# KiCad board pi50.kicad_pcb (continued)
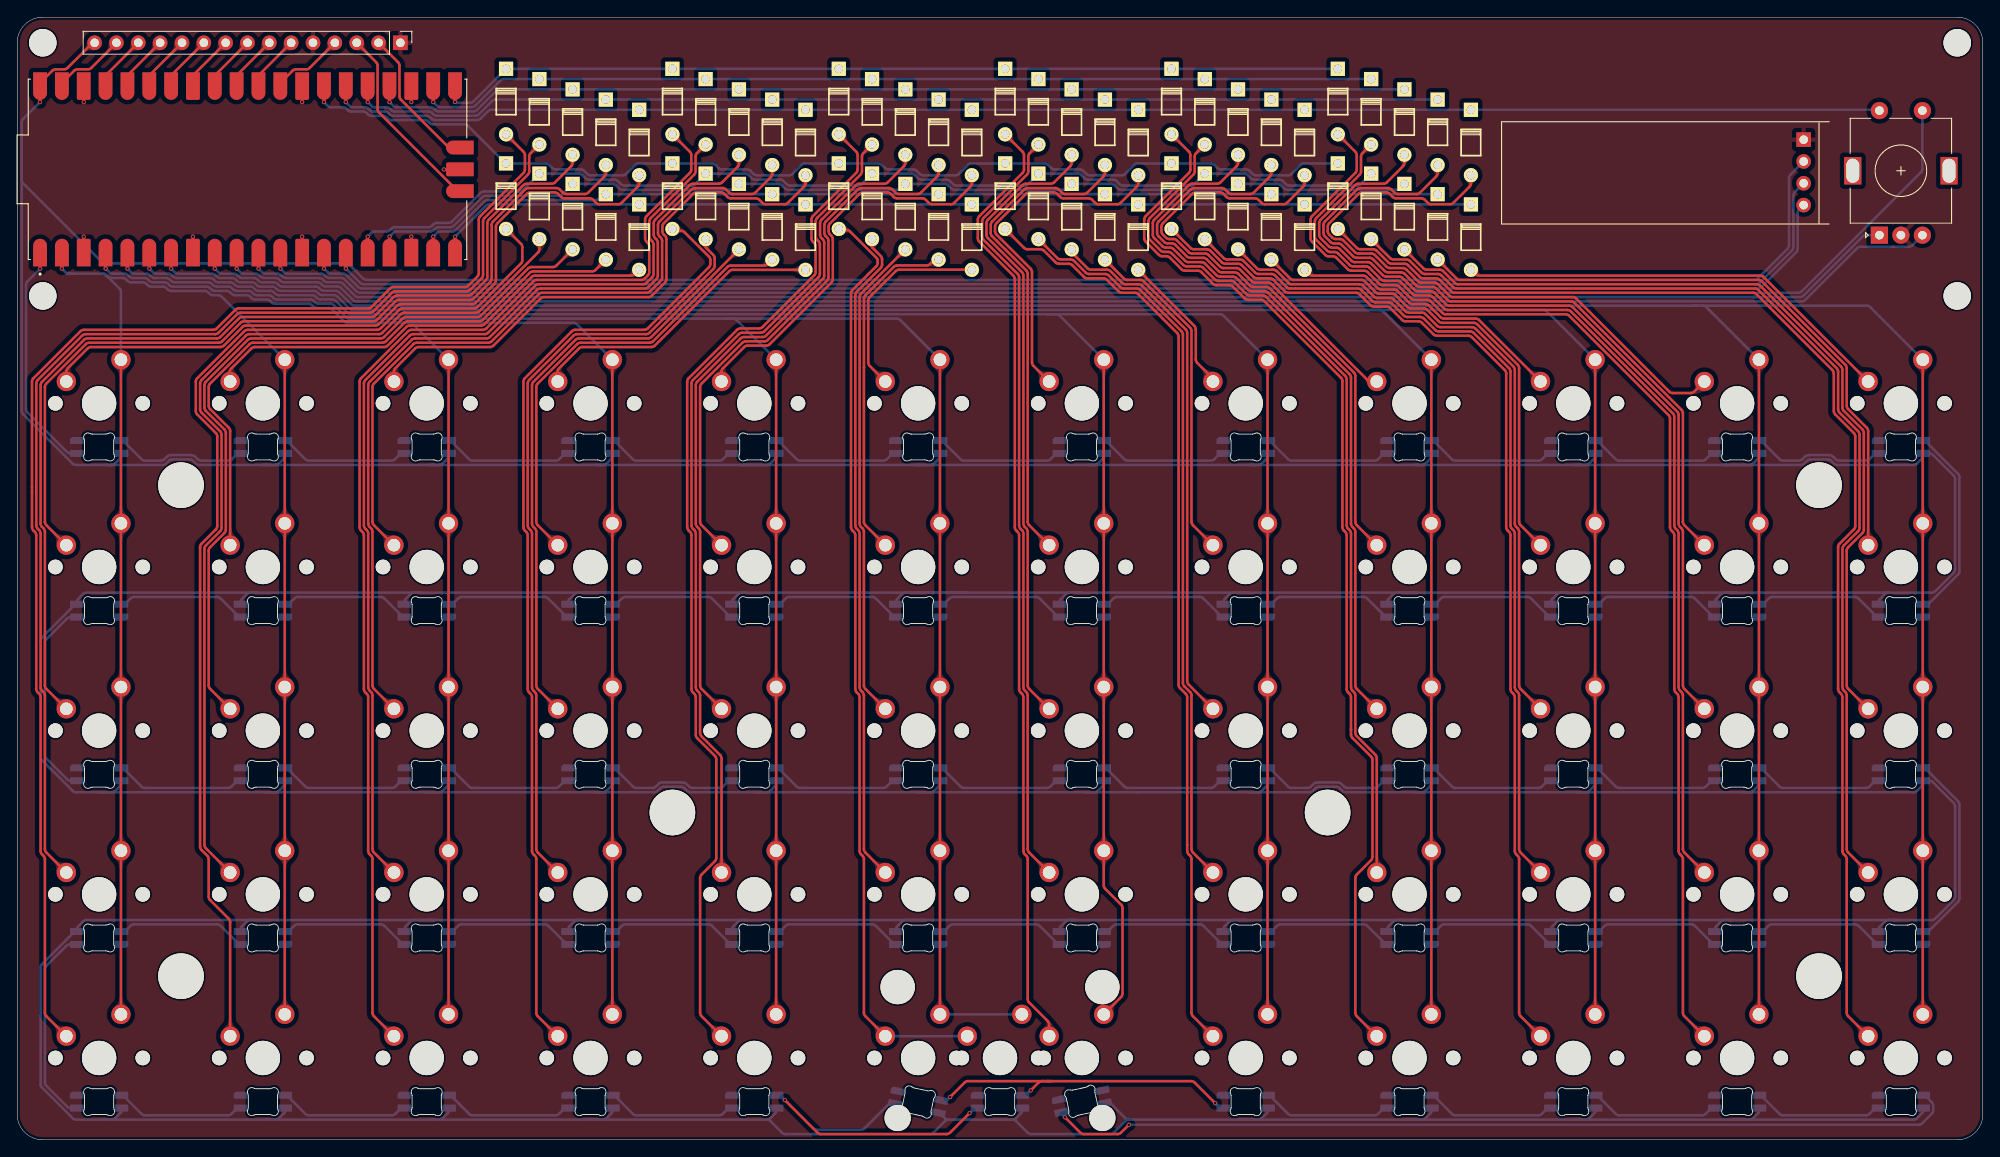
[diagram p0: board, top side]
## Routing (per net, layer and track width the routed paths; a pad name or vN(x,y) marks a point on that pad's centre or on a via; arc(x,y) is an arc through that point)
3V3: length 5.4
  Top w0.3: 12.82,123.89 J1.12
GND: length 14.9
  Top w0.3: U1.D2 49.65,112.96 arc(49.64,112.96) 49.63,112.96 v1(49.63,112.95) ; U1.13 33.14,105.13 arc(33.14,105.13) 33.14,105.13 v1(33.14,105.13) ; U1.23 45.84,120.79 arc(45.84,120.79) 45.84,120.79 v1(45.84,120.79) ; v1(33.14,120.79) 33.14,120.79 arc(33.14,120.79) 33.14,120.79 U1.28 ; v1(45.84,105.13) 45.84,105.13 arc(45.84,105.13) 45.84,105.13 U1.18 ; U1.8 20.44,105.13 arc(20.44,105.13) 20.44,105.13 v1(20.44,105.13) ; v1(7.75,120.79) 7.74,120.79 arc(7.74,120.8) 7.74,120.8 U1.38 ; U1.3 7.74,105.13 arc(7.74,105.13) 7.74,105.13 v1(7.74,105.13)
VBUS: length 1651
  Top w0.3: 2.66,123.01 4.09,124.45 arc(4.27,124.56) 4.48,124.61 5.47,124.61 arc(5.67,124.65) 5.85,124.76 8.78,127.69 ; U1.40 2.66,120.81 arc(2.66,120.8) 2.65,120.8 v1(2.65,120.79)
  Bottom w0.3: D108.1 216.48,24.46 arc(216.51,24.66) 216.63,24.83 217.22,25.42 arc(217.4,25.54) 217.6,25.58 218.22,25.58 ; 66.56,2.35 87.2,2.35 ; 66.56,2.35 66.21,2.35 ; 66.56,2.35 arc(66.62,2.35) 66.68,2.35 ; 87.2,2.35 arc(87.41,2.31) 87.59,2.19 ; 87.2,2.35 arc(87.4,2.39) 87.57,2.49 ; 161.58,2.35 142.43,2.35 ; 161.58,2.35 161.93,2.35 ; 161.58,2.35 162.05,2.35 ; 142.43,2.35 142.08,2.35 ; 142.43,2.35 arc(142.49,2.35) 142.55,2.35 ; D62.1 31.17,79.68 arc(31.13,79.47) 31.02,79.3 30.43,78.71 arc(30.25,78.59) 30.04,78.55 28.85,78.55 ; 48.32,78.55 49.1,78.55 arc(49.31,78.59) 49.48,78.71 50.07,79.29 arc(50.18,79.47) 50.22,79.67 D63.1 ; 48.32,78.55 47.97,78.55 ; 48.32,78.55 arc(48.38,78.55) 48.44,78.55 ; 142.66,25.58 123.04,25.58 ; 142.66,25.58 143.01,25.58 ; 142.66,25.58 arc(142.6,25.58) 142.54,25.58 ; 123.04,25.58 122.57,25.58 ; 123.04,25.58 122.69,25.58 ; 84.4,78.55 104.31,78.55 ; 84.4,78.55 84.05,78.55 ; 84.4,78.55 arc(84.46,78.55) 84.52,78.55 ; 104.31,78.55 104.78,78.55 ; 104.31,78.55 104.66,78.55 ; 104.78,78.55 106.25,78.55 arc(106.46,78.59) 106.64,78.71 107.22,79.29 arc(107.33,79.47) 107.37,79.67 D66.1 ; 104.78,78.55 arc(104.72,78.55) 104.66,78.55 ; D61.1 12.12,79.68 arc(12.08,79.47) 11.97,79.3 11.38,78.71 arc(11.2,78.59) 10.99,78.55 10.89,78.55 ; 143.01,25.58 162.49,25.58 ; 143.01,25.58 142.54,25.58 ; 162.49,25.58 162.84,25.58 ; 162.49,25.58 arc(162.43,25.58) 162.37,25.58 ; 217.26,63.57 216.63,62.95 arc(216.51,62.77) 216.47,62.57 D84.1 ; 217.26,63.57 arc(217.25,63.65) 217.14,63.69 ; 217.26,63.57 arc(217.4,63.66) 217.6,63.69 ; D103.1 121.23,24.47 arc(121.27,24.67) 121.38,24.85 121.96,25.42 arc(122.14,25.54) 122.34,25.58 122.57,25.58 ; 47.97,78.55 48.44,78.55 ; 47.97,78.55 28.96,78.55 ; 124.54,40.45 130.3,40.45 143.2,40.45 ; 124.54,40.45 124.19,40.45 ; 124.54,40.45 arc(124.6,40.45) 124.66,40.45 ; 67.43,78.55 67.78,78.55 ; 67.43,78.55 67.9,78.55 ; 67.43,78.55 48.44,78.55 ; 67.78,78.55 68.15,78.55 arc(68.36,78.59) 68.54,78.71 69.12,79.29 arc(69.23,79.47) 69.27,79.67 D64.1 ; 67.78,78.55 arc(67.84,78.55) 67.9,78.55 ; 124.6,78.55 104.66,78.55 ; 124.6,78.55 125.07,78.55 ; 124.6,78.55 124.96,78.55 ; 67.26,40.45 67.61,40.45 ; 67.26,40.45 67.72,40.45 ; 67.26,40.45 47.97,40.45 ; 67.61,40.45 68.15,40.45 arc(68.36,40.49) 68.54,40.61 69.12,41.19 arc(69.23,41.37) 69.27,41.57 D88.1 ; 67.61,40.45 arc(67.67,40.45) 67.72,40.45 ; 161.93,2.35 181.03,2.35 ; 161.93,2.35 arc(161.99,2.35) 162.05,2.35 ; 28.85,78.55 28.49,78.55 ; 28.85,78.55 arc(28.9,78.55) 28.96,78.55 ; D97.1 6.93,24.47 arc(6.97,24.67) 7.08,24.85 7.66,25.42 arc(7.84,25.54) 8.04,25.58 28.95,25.58 ; 27.97,63.69 27.62,63.69 ; 27.97,63.69 46.55,63.69 ; 27.97,63.69 27.5,63.69 ; 27.62,63.69 27.1,63.69 arc(26.89,63.65) 26.71,63.53 26.13,62.95 arc(26.02,62.77) 25.97,62.57 D74.1 ; 27.62,63.69 arc(27.56,63.69) 27.5,63.69 ; 47.02,63.69 46.67,63.69 ; 47.02,63.69 68.46,63.69 ; 47.02,63.69 46.55,63.69 ; 46.67,63.69 46.15,63.69 arc(45.94,63.65) 45.76,63.53 45.18,62.95 arc(45.07,62.77) 45.02,62.57 D75.1 ; 46.67,63.69 arc(46.61,63.69) 46.55,63.69 ; 9.86,2.35 6.84,2.35 arc(6.63,2.39) 6.45,2.51 2.88,6.08 arc(2.76,6.26) 2.72,6.47 2.72,20.06 arc(2.76,20.27) 2.88,20.44 6.68,24.24 ; 9.86,2.35 10.33,2.35 ; 9.86,2.35 10.22,2.35 ; 9.54,40.45 6.84,40.45 arc(6.63,40.49) 6.45,40.61 2.88,44.18 arc(2.76,44.36) 2.72,44.57 2.72,58.07 arc(2.76,58.28) 2.88,58.46 6.77,62.35 ; 9.54,40.45 10.01,40.45 ; 9.54,40.45 9.89,40.45 ; 67.9,78.55 84.05,78.55 ; 124.19,40.45 124.66,40.45 ; 124.19,40.45 105.14,40.45 ; 143.55,40.45 144.35,40.45 arc(144.56,40.49) 144.73,40.61 145.32,41.19 arc(145.43,41.37) 145.47,41.57 D92.1 ; 143.55,40.45 143.2,40.45 ; 143.55,40.45 arc(143.61,40.45) 143.67,40.45 ; 109.94,63.69 110.41,63.69 ; 109.94,63.69 103.3,63.69 arc(103.09,63.65) 102.91,63.53 102.33,62.95 arc(102.22,62.77) 102.17,62.57 D78.1 ; 109.94,63.69 arc(110,63.69) 110.06,63.69 ; 110.41,63.69 110.06,63.69 ; 110.41,63.69 123.36,63.69 ; 10.01,40.45 28.8,40.45 ; 10.01,40.45 arc(9.95,40.45) 9.89,40.45 ; 200.1,2.35 199.63,2.35 ; 200.1,2.35 220.55,2.35 arc(220.76,2.39) 220.93,2.51 221.52,3.09 arc(221.63,3.27) 221.67,3.47 D119.1 ; 200.1,2.35 arc(200.04,2.35) 199.99,2.35 ; 199.63,2.35 199.99,2.35 ; 199.63,2.35 181.5,2.35 ; 128.88,2.51 126.98,4.41 ; 128.88,2.51 arc(128.95,2.36) 128.9,2.21 ; 128.88,2.51 arc(129.06,2.39) 129.27,2.35 ; 162.53,78.55 162.88,78.55 ; 162.53,78.55 163,78.55 ; 162.53,78.55 143.87,78.55 ; 162.88,78.55 181.07,78.55 ; 162.88,78.55 arc(162.94,78.55) 163,78.55 ; 68.46,63.69 68.81,63.69 ; 68.46,63.69 arc(68.4,63.69) 68.34,63.69 ; 48.42,2.35 49.1,2.35 arc(49.31,2.39) 49.49,2.51 50.07,3.09 arc(50.18,3.27) 50.22,3.47 D111.1 ; 48.42,2.35 48.06,2.35 ; 48.42,2.35 arc(48.47,2.35) 48.53,2.35 ; 47.5,40.45 47.85,40.45 ; 47.5,40.45 29.27,40.45 ; 47.5,40.45 47.97,40.45 ; 47.85,40.45 49.1,40.45 arc(49.31,40.49) 49.49,40.61 50.07,41.19 arc(50.18,41.37) 50.22,41.57 D87.1 ; 47.85,40.45 arc(47.91,40.45) 47.97,40.45 ; 105.39,25.58 84.93,25.58 ; 105.39,25.58 105.74,25.58 ; 105.39,25.58 arc(105.33,25.58) 105.27,25.58 ; 84.93,25.58 84.46,25.58 ; 84.93,25.58 84.58,25.58 ; 143.67,40.45 150.29,40.45 arc(150.49,40.49) 150.67,40.61 151,40.94 arc(151.17,41.06) 151.38,41.1 153.4,41.1 arc(153.61,41.06) 153.79,40.94 154.12,40.61 arc(154.29,40.49) 154.5,40.45 162.47,40.45 ; 143.67,40.45 143.2,40.45 ; 199.92,63.69 217.14,63.69 ; 199.92,63.69 199.45,63.69 ; 199.92,63.69 199.57,63.69 ; 217.14,63.69 217.6,63.69 ; 10.89,78.55 10.42,78.55 ; 10.89,78.55 arc(10.83,78.55) 10.77,78.55 ; 10.42,78.55 10.77,78.55 ; 10.42,78.55 6.82,78.55 arc(6.61,78.59) 6.44,78.71 0.69,84.46 arc(0.57,84.64) 0.53,84.84 0.53,116.49 ; 10.77,78.55 16.93,78.55 arc(17.14,78.59) 17.32,78.71 17.65,79.04 arc(17.82,79.16) 18.03,79.2 20.07,79.2 arc(20.28,79.16) 20.45,79.04 20.78,78.71 arc(20.96,78.59) 21.17,78.55 28.49,78.55 ; D113.1 88.32,3.47 arc(88.28,3.27) 88.17,3.09 87.57,2.49 ; D94.1 183.57,41.57 arc(183.53,41.37) 183.42,41.19 182.83,40.61 arc(182.66,40.49) 182.45,40.45 181.89,40.45 ; 181.07,78.55 181.54,78.55 ; 181.07,78.55 181.42,78.55 ; 123.36,63.69 123.83,63.69 ; 123.36,63.69 arc(123.42,63.69) 123.48,63.69 ; 123.83,63.69 142.9,63.69 ; 123.83,63.69 123.48,63.69 ; 124.96,78.55 125.3,78.55 arc(125.51,78.59) 125.68,78.71 126.27,79.29 arc(126.38,79.47) 126.42,79.67 D67.1 ; 124.96,78.55 arc(125.01,78.55) 125.07,78.55 ; D100.1 64.08,24.47 arc(64.12,24.67) 64.23,24.85 64.81,25.42 arc(64.99,25.54) 65.19,25.58 65.62,25.58 ; 122.57,25.58 arc(122.63,25.58) 122.69,25.58 ; 105.02,40.45 106.25,40.45 arc(106.46,40.49) 106.64,40.61 107.22,41.19 arc(107.33,41.37) 107.37,41.57 D90.1 ; 105.02,40.45 104.67,40.45 ; 105.02,40.45 arc(105.08,40.45) 105.14,40.45 ; 217.6,63.69 222.67,63.69 arc(222.88,63.73) 223.06,63.85 225.22,66.01 arc(225.34,66.19) 225.38,66.39 225.38,76.92 arc(225.34,77.13) 225.22,77.3 222.78,79.74 arc(222.61,79.85) 222.4,79.9 D72.1 221.67,79.67 arc(221.63,79.47) 221.52,79.29 220.93,78.71 arc(220.76,78.59) 220.55,78.55 211.67,78.55 arc(211.46,78.59) 211.28,78.71 210.95,79.04 arc(210.78,79.16) 210.57,79.2 208.53,79.2 arc(208.32,79.16) 208.15,79.04 207.82,78.71 arc(207.64,78.59) 207.44,78.55 198.8,78.55 ; 142.55,2.35 144.35,2.35 arc(144.56,2.39) 144.73,2.51 145.32,3.09 arc(145.43,3.27) 145.47,3.47 D115.1 ; 142.55,2.35 142.08,2.35 ; 84.05,78.55 84.52,78.55 ; 84.77,63.69 110.06,63.69 ; 84.77,63.69 84.42,63.69 ; 84.77,63.69 84.3,63.69 ; 67.72,40.45 74.09,40.45 arc(74.29,40.49) 74.47,40.61 74.8,40.94 arc(74.97,41.06) 75.18,41.1 77.22,41.1 arc(77.43,41.06) 77.6,40.94 77.93,40.61 arc(78.11,40.49) 78.31,40.45 85.77,40.45 ; D99.1 45.03,24.47 arc(45.07,24.67) 45.18,24.85 45.76,25.42 arc(45.94,25.54) 46.14,25.58 48.1,25.58 ; 68.34,63.69 65.2,63.69 arc(64.99,63.65) 64.81,63.53 64.23,62.95 arc(64.12,62.77) 64.07,62.57 D76.1 ; 68.34,63.69 68.81,63.69 ; 180.26,63.69 179.91,63.69 ; 180.26,63.69 199.45,63.69 ; 180.26,63.69 179.79,63.69 ; 179.91,63.69 162.88,63.69 ; 179.91,63.69 arc(179.85,63.69) 179.79,63.69 ; D110.1 31.17,3.47 arc(31.13,3.27) 31.02,3.09 30.44,2.51 arc(30.26,2.39) 30.05,2.35 29.41,2.35 ; 28.83,25.58 29.3,25.58 ; 28.83,25.58 27.09,25.58 arc(26.89,25.54) 26.71,25.42 26.13,24.85 arc(26.02,24.67) 25.98,24.47 D98.1 ; 28.83,25.58 arc(28.89,25.58) 28.95,25.58 ; 29.3,25.58 48.22,25.58 ; 29.3,25.58 28.95,25.58 ; 48.1,25.58 48.57,25.58 ; 48.1,25.58 arc(48.16,25.58) 48.22,25.58 ; 48.57,25.58 65.74,25.58 ; 48.57,25.58 48.22,25.58 ; 9.89,40.45 11,40.45 arc(11.21,40.49) 11.39,40.61 11.97,41.19 arc(12.08,41.37) 12.12,41.57 D85.1 ; 28.96,78.55 28.49,78.55 ; 199.99,2.35 201.5,2.35 arc(201.71,2.39) 201.88,2.51 202.47,3.09 arc(202.58,3.27) 202.62,3.47 D118.1 ; 142.54,25.58 141.39,25.58 arc(141.19,25.54) 141.01,25.42 140.43,24.85 arc(140.32,24.67) 140.28,24.47 D104.1 ; 218.22,25.58 218.69,25.58 ; 218.22,25.58 arc(218.28,25.58) 218.34,25.58 ; 218.69,25.58 218.34,25.58 ; 218.69,25.58 222.67,25.58 arc(222.88,25.62) 223.05,25.74 225.22,27.91 arc(225.34,28.08) 225.38,28.29 225.38,38.81 arc(225.34,39.02) 225.22,39.2 222.78,41.64 arc(222.61,41.75) 222.4,41.8 221.87,41.8 arc(221.73,41.74) 221.67,41.6 221.67,41.57 arc(221.63,41.37) 221.52,41.19 220.93,40.61 arc(220.76,40.49) 220.55,40.45 200.94,40.45 ; 124.66,40.45 125.3,40.45 arc(125.51,40.49) 125.68,40.61 126.27,41.19 arc(126.38,41.37) 126.42,41.57 D91.1 ; 105.74,25.58 122.69,25.58 ; 105.74,25.58 105.27,25.58 ; 66.09,25.58 65.74,25.58 ; 66.09,25.58 65.62,25.58 ; 66.09,25.58 84.46,25.58 ; 65.74,25.58 arc(65.68,25.58) 65.62,25.58 ; 181.03,2.35 181.5,2.35 ; 181.03,2.35 181.39,2.35 ; 66.21,2.35 48.53,2.35 ; 66.21,2.35 66.68,2.35 ; 48.53,2.35 48.06,2.35 ; 84.42,63.69 84.25,63.69 arc(84.04,63.65) 83.86,63.53 83.28,62.95 arc(83.17,62.77) 83.12,62.57 D77.1 ; 84.42,63.69 arc(84.36,63.69) 84.3,63.69 ; 181.42,78.55 198.33,78.55 ; 181.42,78.55 arc(181.48,78.55) 181.54,78.55 ; 198.33,78.55 198.69,78.55 ; 198.33,78.55 198.8,78.55 ; 29.15,40.45 30.05,40.45 arc(30.26,40.49) 30.44,40.61 31.02,41.19 arc(31.13,41.37) 31.17,41.57 D86.1 ; 29.15,40.45 28.8,40.45 ; 29.15,40.45 arc(29.21,40.45) 29.27,40.45 ; 0.53,116.49 0.53,116.96 ; 0.53,116.49 arc(0.53,116.55) 0.53,116.61 ; 0.53,116.96 0.53,118.45 arc(0.57,118.65) 0.69,118.83 v1(2.65,120.79) ; 0.53,116.96 0.53,116.61 ; 125.07,78.55 143.4,78.55 ; 143.4,78.55 143.76,78.55 ; 143.4,78.55 143.87,78.55 ; 29.27,40.45 28.8,40.45 ; 86.12,40.45 87.19,40.45 arc(87.4,40.49) 87.58,40.61 88.17,41.2 arc(88.28,41.37) 88.32,41.58 D89.1 ; 86.12,40.45 85.77,40.45 ; 86.12,40.45 arc(86.18,40.45) 86.23,40.45 ; 123.48,63.69 122.35,63.69 arc(122.14,63.65) 121.96,63.53 121.38,62.95 arc(121.26,62.77) 121.22,62.57 D79.1 ; 115.77,2.35 108.29,2.35 ; 115.77,2.35 arc(115.98,2.39) 116.14,2.49 ; 115.77,2.35 arc(115.98,2.31) 116.16,2.19 ; 108.29,2.35 arc(108.09,2.31) 107.93,2.21 ; 108.29,2.35 arc(108.08,2.39) 107.91,2.51 ; 84.52,78.55 87.2,78.55 arc(87.41,78.59) 87.59,78.71 88.17,79.29 arc(88.28,79.47) 88.32,79.67 D65.1 ; 142.08,2.35 129.27,2.35 ; 10.33,2.35 28.94,2.35 ; 10.33,2.35 arc(10.27,2.35) 10.22,2.35 ; 104.67,40.45 86.23,40.45 ; 104.67,40.45 105.14,40.45 ; 86.23,40.45 85.77,40.45 ; 199.25,25.58 198.54,25.58 arc(198.33,25.54) 198.16,25.42 197.58,24.85 arc(197.47,24.67) 197.43,24.47 D107.1 ; 199.25,25.58 199.6,25.58 ; 199.25,25.58 arc(199.19,25.58) 199.13,25.58 ; D95.1 202.62,41.57 arc(202.58,41.37) 202.47,41.19 201.88,40.61 arc(201.71,40.49) 201.5,40.45 201.05,40.45 ; 84.46,25.58 arc(84.52,25.58) 84.58,25.58 ; 107.91,2.51 107.29,3.13 ; 107.91,2.51 arc(107.98,2.36) 107.93,2.21 ; 48.06,2.35 29.29,2.35 ; 10.22,2.35 11,2.35 arc(11.21,2.39) 11.39,2.51 11.97,3.09 arc(12.08,3.27) 12.12,3.47 D109.1 ; 218.34,25.58 199.6,25.58 ; 116.14,2.49 116.74,3.09 arc(116.86,3.27) 116.9,3.47 D114.1 ; 116.14,2.49 arc(116.09,2.34) 116.16,2.19 ; 68.81,63.69 84.3,63.69 ; 198.69,78.55 201.5,78.55 arc(201.71,78.59) 201.88,78.71 202.47,79.29 arc(202.58,79.47) 202.62,79.67 D71.1 ; 198.69,78.55 arc(198.74,78.55) 198.8,78.55 ; 162.84,25.58 180.18,25.58 ; 162.84,25.58 162.37,25.58 ; 180.18,25.58 180.53,25.58 ; 180.18,25.58 arc(180.12,25.58) 180.06,25.58 ; D68.1 145.47,79.67 arc(145.43,79.47) 145.32,79.29 144.73,78.71 arc(144.56,78.59) 144.35,78.55 143.76,78.55 ; D80.1 140.27,62.57 arc(140.31,62.77) 140.43,62.95 141.01,63.53 arc(141.19,63.65) 141.4,63.69 142.78,63.69 ; 107.93,2.21 106.54,0.83 arc(106.37,0.71) 106.16,0.67 89.34,0.67 arc(89.13,0.71) 88.95,0.83 87.59,2.19 ; 143.25,63.69 142.9,63.69 ; 143.25,63.69 162.53,63.69 ; 143.25,63.69 142.78,63.69 ; 142.9,63.69 arc(142.84,63.69) 142.78,63.69 ; 84.58,25.58 84.24,25.58 arc(84.04,25.54) 83.86,25.42 83.28,24.85 arc(83.17,24.67) 83.13,24.47 D101.1 ; 200.94,40.45 200.59,40.45 ; 200.94,40.45 arc(201,40.45) 201.05,40.45 ; 199.6,25.58 199.13,25.58 ; D82.1 178.37,62.57 arc(178.41,62.77) 178.53,62.95 179.11,63.53 arc(179.29,63.65) 179.5,63.69 179.79,63.69 ; 162.53,63.69 162.88,63.69 ; 162.53,63.69 arc(162.47,63.69) 162.41,63.69 ; 105.27,25.58 103.29,25.58 arc(103.09,25.54) 102.91,25.42 102.33,24.85 arc(102.22,24.67) 102.18,24.47 D102.1 ; 201.05,40.45 200.59,40.45 ; 200.59,40.45 181.77,40.45 ; 181.5,2.35 arc(181.44,2.35) 181.39,2.35 ; 180.06,25.58 179.49,25.58 arc(179.28,25.54) 179.11,25.42 178.53,24.85 arc(178.42,24.67) 178.38,24.47 D106.1 ; 180.06,25.58 180.53,25.58 ; 199.57,63.69 198.55,63.69 arc(198.34,63.65) 198.16,63.53 197.58,62.95 arc(197.46,62.77) 197.42,62.57 D83.1 ; 199.57,63.69 arc(199.51,63.69) 199.45,63.69 ; 181.77,40.45 181.42,40.45 ; 181.77,40.45 arc(181.83,40.45) 181.89,40.45 ; 116.16,2.19 117.52,0.83 arc(117.7,0.71) 117.91,0.67 127.13,0.67 arc(127.34,0.71) 127.52,0.83 128.9,2.21 ; 162.05,2.35 163.4,2.35 arc(163.61,2.39) 163.78,2.51 164.37,3.09 arc(164.48,3.27) 164.52,3.47 D116.1 ; 163,78.55 163.4,78.55 arc(163.61,78.59) 163.78,78.71 164.37,79.29 arc(164.48,79.47) 164.52,79.67 D69.1 ; 87.57,2.49 arc(87.51,2.35) 87.59,2.19 ; D105.1 159.33,24.47 arc(159.37,24.67) 159.48,24.85 160.06,25.42 arc(160.24,25.54) 160.44,25.58 162.37,25.58 ; 162.47,40.45 162.82,40.45 ; 162.47,40.45 162.93,40.45 ; 162.82,40.45 163.4,40.45 arc(163.61,40.49) 163.78,40.61 164.37,41.19 arc(164.48,41.37) 164.52,41.57 D93.1 ; 162.82,40.45 arc(162.88,40.45) 162.93,40.45 ; 143.76,78.55 arc(143.81,78.55) 143.87,78.55 ; D70.1 183.57,79.67 arc(183.53,79.47) 183.42,79.29 182.83,78.71 arc(182.66,78.59) 182.45,78.55 181.54,78.55 ; D81.1 159.32,62.57 arc(159.36,62.77) 159.48,62.95 160.06,63.53 arc(160.24,63.65) 160.45,63.69 162.41,63.69 ; 162.93,40.45 181.42,40.45 ; 181.42,40.45 181.89,40.45 ; 180.53,25.58 199.13,25.58 ; 162.41,63.69 162.88,63.69 ; J2.2 206.22,112.34 arc(206.1,112.16) 206.06,111.95 206.06,104.11 arc(206.02,103.9) 205.9,103.73 202.42,100.25 arc(202.25,100.13) 202.04,100.09 40.62,100.09 arc(40.41,100.13) 40.24,100.25 38.63,101.85 arc(38.46,101.97) 38.25,102.01 10.23,102.01 arc(10.03,102.05) 9.85,102.17 0.69,111.33 arc(0.57,111.51) 0.53,111.72 0.53,116.61 ; 66.68,2.35 68.15,2.35 arc(68.36,2.39) 68.54,2.51 69.12,3.09 arc(69.23,3.27) 69.27,3.47 D112.1 ; 181.39,2.35 182.45,2.35 arc(182.66,2.39) 182.83,2.51 183.42,3.09 arc(183.53,3.27) 183.57,3.47 D117.1 ; 29.29,2.35 28.94,2.35 ; 29.29,2.35 arc(29.35,2.35) 29.41,2.35 ; D73.1 6.92,62.57 arc(6.97,62.77) 7.08,62.95 7.66,63.53 arc(7.84,63.65) 8.05,63.69 27.5,63.69 ; 29.41,2.35 28.94,2.35 ; 128.9,2.21 arc(129.06,2.32) 129.27,2.35
C0: length 196.3
  Top w0.3: K2.2 K14.2 K26.2 K38.2 K50.2 ; K1.2 K13.2 K25.2 12.06,33.66 ; U1.2 5.2,101.41 arc(5.2,101.41) 5.2,101.41 v1(5.2,101.41) ; K37.2 12.07,14.61
  Bottom w0.3: K2.2 23.77,98.15 arc(23.59,98.27) 23.38,98.31 22.77,98.31 arc(22.56,98.35) 22.38,98.47 22.2,98.65 arc(22.03,98.77) 21.82,98.81 17.89,98.81 arc(17.69,98.85) 17.51,98.97 17.33,99.15 arc(17.15,99.27) 16.94,99.31 15.57,99.31 arc(15.36,99.35) 15.18,99.47 15,99.65 arc(14.83,99.77) 14.62,99.81 13.24,99.81 arc(13.03,99.85) 12.85,99.97 12.67,100.15 arc(12.49,100.27) 12.29,100.31 10.9,100.31 arc(10.7,100.35) 10.52,100.47 10.26,100.73 ; 6.23,100.82 5.79,100.82 arc(5.79,100.82) 5.79,100.82 ; 6.23,100.82 6.58,100.82 ; 6.23,100.82 arc(6.17,100.82) 6.12,100.82 ; 6.12,100.82 6.58,100.82 ; 6.12,100.82 6.02,100.82 arc(5.81,100.86) 5.63,100.98 v1(5.2,101.41) ; 6.58,100.82 9.95,100.82 ; 10.26,100.73 arc(10.14,100.8) 9.95,100.82 ; 10.26,100.73 arc(10.29,100.7) 10.33,100.66 ; K1.2 12.06,98.7 arc(12.02,98.91) 11.91,99.08 10.33,100.66 ; 10.33,100.66 arc(10.16,100.78) 9.95,100.82
C1: length 225.4
  Top w0.3: K40.2 69.22,14.61 ; K3.2 K15.2 K27.2 K39.2 K51.2 ; v1(10.29,101.41) 10.28,101.41 arc(10.28,101.42) 10.28,101.42 U1.4 ; K4.2 K16.2 K28.2 69.21,33.66
  Bottom w0.3: v1(10.29,101.41) 10.73,100.97 arc(10.9,100.85) 11.11,100.81 12.49,100.81 arc(12.7,100.77) 12.88,100.65 13.06,100.47 arc(13.24,100.35) 13.45,100.31 14.82,100.31 arc(15.03,100.27) 15.21,100.15 15.39,99.97 arc(15.56,99.85) 15.77,99.81 17.15,99.81 arc(17.36,99.77) 17.53,99.65 17.72,99.47 arc(17.89,99.35) 18.1,99.31 22.02,99.31 arc(22.23,99.27) 22.41,99.15 22.59,98.97 arc(22.77,98.85) 22.97,98.81 24.37,98.81 arc(24.58,98.77) 24.75,98.65 24.93,98.47 arc(25.11,98.35) 25.32,98.31 26.7,98.31 arc(26.91,98.27) 27.08,98.15 27.26,97.97 arc(27.44,97.86) 27.65,97.81 29.04,97.81 arc(29.25,97.77) 29.43,97.66 29.61,97.47 arc(29.79,97.36) 29.99,97.31 33.9,97.31 arc(34.1,97.27) 34.28,97.15 34.45,96.98 arc(34.63,96.87) 34.84,96.82 36.23,96.82 arc(36.44,96.78) 36.61,96.66 38.03,95.25 arc(38.2,95.13) 38.41,95.09 43.72,95.09 ; 44.19,95.09 43.72,95.09 ; 44.19,95.09 64.7,95.09 arc(64.91,95.05) 65.09,94.93 K4.2 ; 44.19,95.09 arc(44.13,95.09) 44.08,95.09 ; 43.72,95.09 44.08,95.09 ; K3.2 46.04,94.93 arc(45.86,95.05) 45.65,95.09 44.08,95.09
C2: length 270.2
  Top w0.3: K54.2 K42.2 ; v1(12.83,101.41) 12.82,101.41 arc(12.82,101.42) 12.82,101.42 U1.5 ; K6.2 K18.2 K30.2 107.31,33.66 ; 88.27,52.7 K41.2 K53.2 ; K29.2 K17.2 K5.2
  Bottom w0.3: K6.2 102.69,95.43 arc(102.51,95.55) 102.3,95.59 82.87,95.59 ; 82.4,95.59 38.62,95.59 arc(38.41,95.63) 38.23,95.75 36.82,97.16 arc(36.64,97.28) 36.44,97.32 35.04,97.32 arc(34.84,97.36) 34.66,97.48 34.49,97.65 arc(34.31,97.77) 34.1,97.81 30.2,97.81 arc(29.99,97.85) 29.82,97.97 29.63,98.15 arc(29.46,98.27) 29.25,98.31 27.86,98.31 arc(27.65,98.36) 27.47,98.47 27.29,98.65 arc(27.12,98.77) 26.91,98.81 25.52,98.81 arc(25.32,98.85) 25.14,98.97 24.96,99.15 arc(24.78,99.27) 24.57,99.31 23.18,99.31 arc(22.97,99.35) 22.8,99.47 22.62,99.65 arc(22.44,99.77) 22.23,99.81 18.31,99.81 arc(18.1,99.85) 17.92,99.97 17.74,100.15 arc(17.56,100.27) 17.36,100.31 15.98,100.31 arc(15.77,100.35) 15.6,100.47 15.42,100.65 arc(15.24,100.77) 15.03,100.81 13.65,100.81 arc(13.44,100.85) 13.27,100.97 v1(12.83,101.41) ; 82.4,95.59 82.76,95.59 ; 82.4,95.59 82.87,95.59 ; 82.76,95.59 83.25,95.59 arc(83.46,95.55) 83.64,95.43 K5.2 ; 82.76,95.59 arc(82.81,95.59) 82.87,95.59 ; K54.2 K61.2
C3: length 298.9
  Top w0.3: U1.6 15.36,101.42 arc(15.36,101.42) 15.36,101.41 v1(15.37,101.41) ; K8.2 K20.2 K32.2 145.41,33.66 ; K55.2 128.39,16.63 arc(128.51,16.8) 128.55,17.01 128.55,26.97 arc(128.51,27.18) 128.39,27.36 126.52,29.22 arc(126.41,29.4) 126.37,29.61 K43.2 126.37,52.7 ; K7.2 K19.2 K31.2 ; K44.2 145.42,14.61
  Bottom w0.3: K8.2 140.29,95.93 arc(140.11,96.05) 139.9,96.09 120.15,96.09 ; v1(15.37,101.41) 15.81,100.97 arc(15.98,100.85) 16.19,100.81 17.56,100.81 arc(17.77,100.77) 17.95,100.65 18.13,100.47 arc(18.31,100.35) 18.51,100.31 22.44,100.31 arc(22.65,100.27) 22.82,100.15 23,99.97 arc(23.18,99.85) 23.39,99.81 24.78,99.81 arc(24.99,99.77) 25.17,99.65 25.35,99.47 arc(25.52,99.35) 25.73,99.31 27.11,99.31 arc(27.32,99.27) 27.5,99.15 27.68,98.97 arc(27.85,98.86) 28.06,98.81 29.46,98.81 arc(29.66,98.77) 29.84,98.65 30.02,98.47 arc(30.2,98.35) 30.41,98.31 34.31,98.31 arc(34.52,98.27) 34.69,98.15 34.87,97.98 arc(35.04,97.86) 35.25,97.82 36.64,97.82 arc(36.85,97.78) 37.03,97.66 38.44,96.25 arc(38.62,96.13) 38.83,96.09 119.79,96.09 ; 120.26,96.09 119.79,96.09 ; 120.26,96.09 120.85,96.09 arc(121.06,96.05) 121.24,95.93 K7.2 ; 120.26,96.09 arc(120.2,96.09) 120.15,96.09 ; 119.79,96.09 120.15,96.09
C4: length 341
  Top w0.3: U1.7 17.9,101.41 arc(17.9,101.41) 17.9,101.41 v1(17.9,101.41) ; K9.2 K21.2 K33.2 164.46,33.66 ; K58.2 183.51,33.65 ; K46.2 183.52,52.7 ; K10.2 K22.2 K34.2 ; K45.2 164.47,14.61
  Bottom w0.3: 150.36,96.59 149.89,96.59 ; 150.36,96.59 177.5,96.59 arc(177.71,96.55) 177.89,96.43 K10.2 ; 150.36,96.59 arc(150.3,96.59) 150.24,96.59 ; 149.89,96.59 150.24,96.59 ; 149.89,96.59 39.03,96.59 arc(38.82,96.63) 38.65,96.75 37.24,98.16 arc(37.06,98.28) 36.85,98.32 35.46,98.32 arc(35.25,98.36) 35.07,98.48 34.9,98.65 arc(34.73,98.77) 34.52,98.81 30.61,98.81 arc(30.41,98.85) 30.23,98.97 30.05,99.15 arc(29.87,99.27) 29.66,99.31 28.27,99.31 arc(28.06,99.35) 27.88,99.47 27.71,99.65 arc(27.53,99.77) 27.32,99.81 25.94,99.81 arc(25.73,99.85) 25.55,99.97 25.37,100.15 arc(25.2,100.27) 24.99,100.31 23.59,100.31 arc(23.39,100.35) 23.21,100.47 23.03,100.65 arc(22.85,100.77) 22.64,100.81 18.72,100.81 arc(18.51,100.85) 18.34,100.97 v1(17.9,101.41) ; 150.24,96.59 158.45,96.59 arc(158.66,96.55) 158.84,96.43 K9.2
C5: length 367.5
  Top w0.3: v1(22.98,101.41) 22.98,101.41 arc(22.98,101.41) 22.98,101.41 U1.9 ; K36.2 K24.2 K12.2 ; K11.2 K23.2 K35.2 202.56,33.66 ; K47.2 202.57,14.61 ; K60.2 221.61,33.65 ; K48.2 221.62,52.7
  Bottom w0.3: 194.81,97.09 195.16,97.09 ; 194.81,97.09 195.28,97.09 ; 194.81,97.09 39.24,97.09 arc(39.03,97.13) 38.85,97.25 37.44,98.66 arc(37.27,98.78) 37.06,98.82 35.66,98.82 arc(35.46,98.86) 35.28,98.98 35.11,99.15 arc(34.93,99.27) 34.72,99.31 30.82,99.31 arc(30.61,99.35) 30.44,99.47 30.25,99.65 arc(30.08,99.77) 29.87,99.81 28.48,99.81 arc(28.27,99.85) 28.09,99.97 27.91,100.15 arc(27.74,100.27) 27.53,100.31 26.14,100.31 arc(25.94,100.35) 25.76,100.47 25.58,100.65 arc(25.4,100.77) 25.19,100.81 23.8,100.81 arc(23.59,100.85) 23.42,100.97 v1(22.98,101.41) ; 195.16,97.09 196.05,97.09 arc(196.26,97.05) 196.44,96.93 K11.2 ; 195.16,97.09 arc(195.22,97.09) 195.28,97.09 ; 195.28,97.09 215.1,97.09 arc(215.31,97.05) 215.49,96.93 K12.2
C6: length 206.7
  Top w0.3: U1.12 30.6,101.44 arc(30.6,101.43) 30.61,101.42 v1(30.62,101.41)
  Bottom w0.3: SW1.S1 221.57,113.02 arc(221.53,112.81) 221.41,112.64 207.53,98.75 arc(207.35,98.63) 207.14,98.59 39.86,98.59 arc(39.65,98.63) 39.48,98.75 38.06,100.16 arc(37.89,100.28) 37.68,100.32 36.29,100.32 arc(36.08,100.36) 35.9,100.48 35.73,100.65 arc(35.55,100.77) 35.34,100.81 31.44,100.81 arc(31.23,100.85) 31.06,100.97 v1(30.62,101.41)
J2: length 15.5
  Top w0.3: J1.2 44.3,125.42 arc(44.42,125.24) 44.46,125.03 44.46,121.46 arc(44.5,121.25) 44.62,121.07 50.19,115.5
J3: length 22.1
  Top w0.3: 51.23,110.42 42.07,119.58 arc(41.95,119.76) 41.91,119.96 41.91,125.04 arc(41.87,125.25) 41.75,125.42 J1.3
J4: length 8.2
  Top w0.3: 30.6,123.01 32.03,124.45 arc(32.21,124.56) 32.42,124.61 33.63,124.61 arc(33.84,124.65) 34.01,124.76 J1.4
J6: length 5.4
  Top w0.3: 28.06,123.89 J1.6
J7: length 5.4
  Top w0.3: 25.52,123.89 J1.7
J8: length 5.4
  Top w0.3: 22.98,123.89 J1.8
J9: length 5.4
  Top w0.3: 20.44,123.89 J1.9
J10: length 5.4
  Top w0.3: 17.9,123.89 J1.10
J11: length 5.4
  Top w0.3: 15.36,123.89 J1.11
J13: length 5.4
  Top w0.3: 10.28,123.89 J1.13
J14: length 8.2
  Top w0.3: 5.2,123.01 6.63,124.45 arc(6.81,124.56) 7.02,124.61 8.23,124.61 arc(8.44,124.65) 8.61,124.76 J1.14
R0: length 181.3
  Top w0.3: v1(38.22,120.79) 38.22,120.79 arc(38.22,120.79) 38.22,120.79 U1.26
  Bottom w0.3: v1(38.22,120.79) 38.66,120.35 arc(38.83,120.23) 39.04,120.19 40.43,120.19 arc(40.64,120.15) 40.82,120.03 41.01,119.84 arc(41.18,119.72) 41.39,119.68 42.76,119.68 arc(42.97,119.64) 43.15,119.52 43.32,119.35 arc(43.5,119.23) 43.71,119.19 47.64,119.19 arc(47.85,119.15) 48.02,119.03 48.2,118.86 arc(48.37,118.74) 48.58,118.7 53.5,118.7 arc(53.71,118.74) 53.88,118.86 54.76,119.74 arc(54.94,119.85) 55.14,119.9 D1.1 D2.1 D3.1 D4.1 D5.1 D6.1 216.48,119.9
R1: length 121.5
  Top w0.3: v1(50.93,105.13) 50.92,105.13 arc(50.92,105.12) 50.92,105.12 U1.20
  Bottom w0.3: v1(50.93,105.13) 54.52,108.72 arc(54.7,108.84) 54.9,108.88 D7.1 D8.1 D9.1 D10.1 D11.1 D12.1
R2: length 127.6
  Top w0.3: v1(40.77,120.79) 40.76,120.79 arc(40.76,120.8) 40.76,120.8 U1.25
  Bottom w0.3: D18.1 D17.1 D16.1 D15.1 D14.1 D13.1 55.63,121.09 arc(55.42,121.04) 55.24,120.93 53.67,119.36 arc(53.5,119.24) 53.29,119.2 48.79,119.2 arc(48.58,119.24) 48.4,119.36 48.23,119.53 arc(48.06,119.65) 47.85,119.69 43.92,119.69 arc(43.71,119.73) 43.53,119.85 43.36,120.02 arc(43.18,120.14) 42.97,120.18 41.6,120.18 arc(41.39,120.22) 41.21,120.34 v1(40.77,120.79)
R3: length 120.4
  Top w0.3: v1(48.39,105.13) 48.38,105.13 arc(48.38,105.12) 48.38,105.12 U1.19
  Bottom w0.3: 68.21,110.07 67.68,109.54 arc(67.5,109.42) 67.29,109.38 54.7,109.38 arc(54.49,109.34) 54.31,109.22 50.98,105.89 arc(50.8,105.77) 50.59,105.73 49.21,105.73 arc(49,105.69) 48.83,105.57 v1(48.39,105.13) ; D19.1 D20.1 D21.1 D22.1 D23.1 D24.1
R4: length 121.3
  Top w0.3: v1(43.3,120.79) 43.3,120.79 arc(43.3,120.79) 43.3,120.79 U1.24
  Bottom w0.3: D30.1 D29.1 D28.1 D27.1 D26.1 D25.1 56.11,122.28 arc(55.9,122.24) 55.73,122.12 53.47,119.86 arc(53.29,119.74) 53.08,119.7 49,119.7 arc(48.79,119.74) 48.61,119.86 48.44,120.03 arc(48.26,120.15) 48.05,120.19 44.12,120.19 arc(43.91,120.23) 43.74,120.35 v1(43.3,120.79)
R5: length 124.7
  Top w0.3: v1(43.31,105.13) 43.3,105.13 arc(43.3,105.12) 43.3,105.12 U1.17
  Bottom w0.3: D36.1 160.8,110.73 arc(160.62,110.61) 160.41,110.57 147.73,110.57 arc(147.52,110.61) 147.34,110.73 146.97,111.1 arc(146.8,111.22) 146.59,111.26 142.21,111.26 arc(142,111.22) 141.82,111.1 141.45,110.73 arc(141.27,110.61) 141.07,110.57 128.39,110.57 arc(128.18,110.61) 128,110.73 127.63,111.1 arc(127.46,111.22) 127.25,111.26 122.86,111.26 arc(122.65,111.22) 122.48,111.1 122.1,110.73 arc(121.93,110.61) 121.72,110.57 109.03,110.57 arc(108.82,110.61) 108.64,110.73 108.27,111.1 arc(108.1,111.22) 107.89,111.26 103.51,111.26 arc(103.3,111.22) 103.13,111.1 102.76,110.73 arc(102.58,110.61) 102.37,110.57 89.69,110.57 arc(89.48,110.61) 89.3,110.73 88.93,111.1 arc(88.76,111.22) 88.55,111.26 84.16,111.26 arc(83.96,111.22) 83.78,111.1 83.41,110.73 arc(83.23,110.61) 83.02,110.57 70.4,110.57 arc(70.19,110.61) 70.01,110.73 69.64,111.1 arc(69.46,111.22) 69.26,111.26 D31.1 63.37,110.04 arc(63.19,109.92) 62.98,109.88 54.49,109.88 arc(54.28,109.84) 54.11,109.72 50.77,106.39 arc(50.6,106.27) 50.39,106.23 49,106.23 arc(48.8,106.19) 48.62,106.07 48.44,105.89 arc(48.26,105.77) 48.05,105.73 44.13,105.73 arc(43.92,105.69) 43.75,105.57 v1(43.31,105.13)
R6: length 112.5
  Top w0.3: v1(48.39,120.79) 48.38,120.79 arc(48.38,120.8) 48.38,120.8 U1.22
  Bottom w0.3: v1(48.39,120.79) 48.82,120.36 arc(48.99,120.24) 49.2,120.2 52.88,120.2 arc(53.08,120.24) 53.26,120.36 56.21,123.31 arc(56.39,123.43) 56.59,123.47 D37.1 D38.1 D39.1 D40.1 D41.1 D42.1
R7: length 126.5
  Top w0.3: U1.16 40.76,105.12 arc(40.76,105.12) 40.76,105.13 v1(40.77,105.13)
  Bottom w0.3: v1(40.77,105.13) 41.21,105.57 arc(41.38,105.69) 41.59,105.73 42.97,105.73 arc(43.18,105.77) 43.36,105.89 43.54,106.07 arc(43.72,106.19) 43.92,106.23 47.85,106.23 arc(48.06,106.27) 48.23,106.39 48.41,106.57 arc(48.59,106.69) 48.8,106.73 50.18,106.73 arc(50.39,106.77) 50.57,106.89 53.9,110.22 arc(54.08,110.34) 54.28,110.38 58.42,110.38 arc(58.63,110.42) 58.81,110.54 D43.1 65.34,112.45 arc(65.55,112.41) 65.72,112.29 66.09,111.92 arc(66.27,111.81) 66.48,111.76 69.46,111.76 arc(69.67,111.72) 69.85,111.6 70.22,111.23 arc(70.4,111.11) 70.6,111.07 78.46,111.07 arc(78.67,111.11) 78.85,111.23 D44.1 84.68,112.45 arc(84.89,112.41) 85.06,112.29 85.43,111.92 arc(85.61,111.8) 85.82,111.76 88.75,111.76 arc(88.96,111.72) 89.14,111.6 89.51,111.23 arc(89.69,111.11) 89.9,111.07 97.81,111.07 arc(98.02,111.11) 98.19,111.23 D45.1 104.02,112.45 arc(104.23,112.41) 104.4,112.29 104.77,111.92 arc(104.95,111.8) 105.16,111.76 108.09,111.76 arc(108.3,111.72) 108.48,111.6 108.85,111.23 arc(109.03,111.11) 109.24,111.07 117.16,111.07 arc(117.37,111.11) 117.54,111.23 D46.1 123.38,112.45 arc(123.59,112.41) 123.76,112.29 124.13,111.92 arc(124.31,111.8) 124.52,111.76 127.45,111.76 arc(127.66,111.72) 127.84,111.6 128.21,111.23 arc(128.39,111.11) 128.6,111.07 136.51,111.07 arc(136.71,111.11) 136.89,111.23 D47.1 142.72,112.45 arc(142.93,112.41) 143.1,112.29 143.47,111.92 arc(143.65,111.8) 143.86,111.76 146.79,111.76 arc(147,111.72) 147.18,111.6 147.55,111.23 arc(147.73,111.11) 147.94,111.07 155.85,111.07 arc(156.06,111.11) 156.24,111.23 D48.1
R8: length 106.2
  Top w0.3: U1.21 50.92,120.8 arc(50.92,120.8) 50.92,120.8 v1(50.92,120.8)
  Bottom w0.3: v1(50.92,120.8) 50.97,120.75 arc(51.02,120.71) 51.09,120.7 52.67,120.7 arc(52.88,120.74) 53.05,120.86 D49.1 D50.1 D51.1 D52.1 D53.1 D54.1
R9: length 127.5
  Top w0.3: v1(35.68,120.79) 35.68,120.79 arc(35.68,120.79) 35.68,120.79 U1.27
  Bottom w0.3: D60.1 149.65,113.64 arc(149.45,113.6) 149.27,113.49 148.21,112.42 arc(148.03,112.3) 147.82,112.26 144.07,112.26 arc(143.86,112.3) 143.68,112.42 143.31,112.79 arc(143.13,112.91) 142.92,112.95 139.99,112.95 arc(139.78,113) 139.6,113.11 139.23,113.49 arc(139.05,113.6) 138.85,113.64 D59.1 130.31,113.64 arc(130.1,113.6) 129.92,113.49 128.86,112.42 arc(128.68,112.3) 128.47,112.26 124.73,112.26 arc(124.52,112.3) 124.34,112.42 123.97,112.79 arc(123.79,112.91) 123.58,112.95 120.64,112.95 arc(120.43,113) 120.25,113.11 119.88,113.49 arc(119.7,113.6) 119.5,113.64 D58.1 110.96,113.64 arc(110.75,113.6) 110.57,113.49 109.51,112.42 arc(109.33,112.3) 109.13,112.26 105.37,112.26 arc(105.16,112.3) 104.98,112.42 104.61,112.79 arc(104.43,112.91) 104.22,112.95 101.3,112.95 arc(101.09,113) 100.91,113.11 100.54,113.49 arc(100.36,113.6) 100.16,113.64 D57.1 91.61,113.64 arc(91.4,113.6) 91.23,113.49 90.16,112.42 arc(89.99,112.3) 89.78,112.26 86.03,112.26 arc(85.82,112.3) 85.64,112.42 85.27,112.79 arc(85.09,112.91) 84.88,112.95 81.95,112.95 arc(81.74,113) 81.56,113.11 81.19,113.49 arc(81.01,113.6) 80.81,113.64 D56.1 72.26,113.64 arc(72.06,113.6) 71.88,113.49 70.82,112.42 arc(70.64,112.31) 70.43,112.26 66.69,112.26 arc(66.48,112.31) 66.3,112.42 65.93,112.79 arc(65.75,112.91) 65.54,112.95 62.61,112.95 arc(62.4,113) 62.22,113.11 61.85,113.49 arc(61.67,113.6) 61.47,113.64 D55.1 ; 56.8,113.64 52.41,118.04 arc(52.23,118.16) 52.02,118.2 48.37,118.2 arc(48.17,118.24) 47.99,118.36 47.82,118.53 arc(47.64,118.65) 47.43,118.69 43.5,118.69 arc(43.29,118.73) 43.12,118.85 42.94,119.02 arc(42.77,119.14) 42.56,119.18 41.19,119.18 arc(40.98,119.22) 40.8,119.34 40.61,119.53 arc(40.44,119.65) 40.23,119.69 38.83,119.69 arc(38.63,119.73) 38.45,119.85 38.27,120.03 arc(38.09,120.15) 37.88,120.19 36.5,120.19 arc(36.29,120.23) 36.12,120.35 v1(35.68,120.79)
